# Allegro board SG2042_EVB_V1_1.brd (continued)
## Routing (per net, layer and track width the routed paths; a pad name or vN(x,y) marks a point on that pad's centre or on a via; arc(x,y) is an arc through that point) (continued)
DDR01_VDDQ_1V2_H: length 40.1
  TOP w0.102: R2175.2 217.04,97.46 216.94,97.56 216.94,97.92 218.49,99.47 220.12,99.47 220.7,100.05 220.7,100.36 221.74,101.4 222.54,101.4 222.93,101.78 222.93,102.07 U62.4
  ART03 w0.254: v1(221.16,94.23) 224.1,91.29 224.1,79.91 225.43,78.59 225.43,74.78 v1(224.71,74.07)
  BOTTOM w0.102: R2176.2 225.17,98.09 225.27,97.99 225.27,97.38 226.74,95.91 226.74,95.63 226.68,95.56 226.68,95.23 U61.4
  BOTTOM w0.254: R646.1 v1(224.71,74.07)
  vias: v1(219.33,95.15) v1(219.33,94.23) v1(220.24,95.15) v1(220.24,94.23) v1(221.16,95.15)
DDR1_VDDQCK: length 1
  BOTTOM w0.381: C1452.1 150.57,112.74 FB15.1
  vias: v1(150.47,112.65)
DDR01_VPP_2V5: length 151.8
  TOP w0.102: U50.5 220.12,47.84 220.12,47.4 220.04,47.32 220.04,47.08 219.85,46.89 219.28,46.89 218.95,47.22 218.95,47.88 218.72,48.11 218.08,48.11 217.98,48.01 R458.2
  TOP w0.254: J2.287 199.42,43.67 ; J2.287 198.76,43.01 ; J2.287 198.1,43.67 ; J2.286 201.02,44.52 ; J2.286 199.7,44.52 ; J2.286 200.36,43.86 ; 194.3,43.67 J2.143 ; J2.143 195.62,43.67 ; J2.143 194.96,43.01 ; J2.143 194.96,44.33 ; J1.142 206.62,44.52 ; J1.142 205.96,43.86 ; J1.142 205.3,44.52 ; J1.288 210.42,42.82 ; J1.288 209.76,43.48 ; J1.288 209.1,42.82 ; J1.288 209.76,42.16 ; 203.7,43.67 J1.143 ; J1.143 204.36,43.01 ; J1.143 205.02,43.67 ; R462.2 222.07,64.95 C1434.2 v1(222.71,64.92) ; 212.22,38.84 C4.1 ; C4.1 211.3,38.84 ; C4.1 211.76,39.29 ; C2.1 211.76,43.21 ; C2.1 212.22,42.75 ; C2.1 211.3,42.75 ; 201.9,44.7 C21.1 202.82,44.7 ; C23.1 202.82,40.11 ; C23.1 202.36,39.65 ; C23.1 201.9,40.11 ; 201.9,42.65 C22.1 ; C22.1 202.82,42.65 ; C22.1 202.36,43.1 ; C24.1 202.36,39.29 ; C24.1 202.82,38.84 ; C24.1 201.9,38.84 ; R5.2 R1.2 212.39,98.76 v1(212.42,98.73) ; J1.287 208.82,43.67 ; J1.287 208.16,43.01 ; J1.287 207.5,43.67 ; 211.3,40.79 C3.1 ; C3.1 211.76,41.25 ; C3.1 212.22,40.79 ; J2.288 201.02,42.82 ; J2.288 200.36,43.48 ; J2.288 200.36,42.16 ; J2.288 199.7,42.82 ; 209.76,43.86 J1.286 210.42,44.52 ; 211.3,44.7 C1.1 212.22,44.7 ; 196.56,43.86 J2.142 ; J2.142 197.22,44.52 ; J2.142 195.9,44.52 ; 215.49,47.75 215.49,48.26 213.54,50.22 R8.2
  ART03 w0.254: 199.7,46.22 J2.284 ; J2.284 201.02,46.22 ; J2.284 200.36,45.56 ; 198.1,43.67 J2.287 ; J2.287 198.76,43.01 ; J2.287 199.42,43.67 ; J2.287 198.76,44.33 ; J1.143 204.36,44.33 ; J1.143 205.02,43.67 ; J1.143 204.36,43.01 ; J1.143 203.7,43.67 ; 196.56,43.86 J2.142 ; J2.142 196.56,45.18 ; J2.142 195.9,44.52 ; J2.142 197.22,44.52 ; J1.142 205.96,45.18 ; J1.142 206.62,44.52 ; J1.142 205.3,44.52 ; J1.142 205.96,43.86 ; 200.36,43.86 J2.286 ; J2.286 201.02,44.52 ; J2.286 200.36,45.18 ; J2.286 199.7,44.52 ; J1.284 210.42,46.22 ; J1.284 209.1,46.22 ; J1.284 209.76,45.56 ; J1.288 209.76,43.48 ; J1.288 210.42,42.82 ; J1.288 209.1,42.82 ; J1.286 210.42,44.52 ; J1.286 209.1,44.52 ; J1.286 209.76,43.86 ; J1.286 209.76,45.18 ; J2.143 195.62,43.67 ; J2.143 194.96,44.33 ; J2.143 194.96,43.01 ; 207.5,43.67 J1.287 ; J1.287 208.16,43.01 ; J1.287 208.16,44.33 ; J1.287 208.82,43.67 ; J2.288 201.02,42.82 ; J2.288 200.36,43.48 ; J2.288 199.7,42.82
  ART10 w0.254: v1(212.42,98.73) 212.47,98.68 212.47,50.85 217.45,45.87 v1(217.45,45.49) ; v1(217.45,42.9) 218.97,44.42 218.97,46.48 222.58,50.09 222.58,61.49 222.05,62.03 222.05,64.26 v1(222.71,64.92)
  vias: v1(217.45,44.63) v1(217.45,43.76)
DDR01_VPP_2V5_H: length 4.4
  TOP w0.102: U50.4 219.77,47.84 219.77,47.39 219.84,47.32 219.84,47.17 219.76,47.09 219.36,47.09 219.15,47.3 219.15,47.96 218.8,48.31 218.08,48.31 217.98,48.41 R458.1
DDR01_VTT_0V6: length 15.5
  TOP w0.102: R447.2 222.02,105.51 222.12,105.41 222.12,104.61 222.42,104.32 224.94,104.32 225.73,105.11 225.73,106.25 225.81,106.32 225.81,106.7 U48.5
  TOP w0.254: 203.7,104.87 J1.77 ; J1.77 204.36,104.21 ; J1.77 205.02,104.87 ; J1.221 208.82,104.87 ; J1.221 207.5,104.87 ; J1.221 208.16,104.21 ; J2.77 195.62,104.87 ; J2.77 194.3,104.87 ; J2.77 194.96,104.21 ; 198.76,104.21 J2.221 ; J2.221 198.1,104.87 ; J2.221 199.42,104.87
DDR01_VTT_0V6_H: length 12.8
  TOP w0.102: R447.1 222.43,105.51 222.33,105.41 222.33,104.7 222.5,104.52 224.86,104.52 225.53,105.19 225.53,106.24 225.46,106.31 225.46,106.7 U48.4
  TOP w0.254: 222.78,110.41 222.53,110.67 U47.3
  TOP w0.508: 222.78,110.41 223.14,110.06 R450.2 C1424.1 C1425.1 C1426.1 R447.1
DDR2_ACT_N: length 62.7
  TOP w0.16: U1.BB2 v1(111.97,92.15)
  BOTTOM w0.089: v1(111.97,92.15) 111.6,92.52 109.67,92.52 109.14,92 108.51,92 108.4,91.89 101.51,91.89 101.39,92.01
  BOTTOM w0.16: J3.62 70.03,117.62 arc(70.33,117.68) 70.59,117.86 70.98,118.24 arc(71.23,118.41) 71.54,118.47 arc(71.96,118.5) 72.37,118.58 74.79,119.21 arc(75.21,119.29) 75.62,119.32 75.63,119.32 arc(75.93,119.26) 76.19,119.09 76.57,118.71 arc(76.83,118.53) 77.14,118.47 77.53,118.47 arc(77.83,118.53) 78.09,118.71 78.47,119.09 arc(78.73,119.26) 79.04,119.32 79.43,119.32 arc(79.73,119.26) 79.99,119.09 80.37,118.71 arc(80.63,118.53) 80.94,118.47 81.53,118.47 87.01,112.99 87.01,104.29 89.58,101.71 91.69,101.71 101.39,92.01
DDR2_ALERT_N: length 66.4
  TOP w0.16: J3.208 69.64,115.92 arc(69.34,115.98) 69.08,116.16 68.69,116.54 arc(68.43,116.71) 68.13,116.77 67.74,116.77 arc(67.43,116.71) 67.18,116.54 66.79,116.16 arc(66.53,115.98) 66.23,115.92 64.21,115.92 R2243.1 ; U1.AV6 v1(114.97,96.15)
  ART03 w0.089: 106.97,93.72 107.12,93.72 108.96,95.55 114.38,95.55 v1(114.97,96.15)
  ART03 w0.168: 106.97,93.72 99.27,93.72 91.3,101.69 90,101.69 87.26,104.43 87.26,109.61 81.8,115.07 80.96,115.07 arc(80.63,115.14) 80.36,115.32 80,115.68 arc(79.73,115.86) 79.41,115.92 79.06,115.92 arc(78.73,115.99) 78.46,116.17 78.1,116.53 arc(77.83,116.71) 77.51,116.77 77.16,116.77 arc(76.83,116.84) 76.56,117.02 76.2,117.38 arc(75.93,117.56) 75.61,117.62 74.36,117.62 arc(74.04,117.56) 73.76,117.38 72.82,116.43 arc(72.25,116.05) 71.59,115.92 J3.208
DDR2_ATB0: length 1.4
  TOP w0.16: U1.BD9 v1(117.97,90.15)
  BOTTOM w0.102: T23.1 v1(117.97,90.15)
DDR2_ATB1: length 1.4
  TOP w0.16: U1.BC9 v1(117.97,91.15)
  BOTTOM w0.102: T24.1 v1(117.97,91.15)
DDR2_BA0: length 52.3
  TOP w0.16: U1.BE2 v1(110.97,89.15)
  BOTTOM w0.089: 96.44,88.81 96.56,88.69 109.37,88.69 109.45,88.77 110.6,88.77 v1(110.97,89.15)
  BOTTOM w0.16: J3.81 68.13,96.37 arc(68.43,96.43) 68.69,96.61 69.08,96.99 arc(69.33,97.16) 69.64,97.22 70.03,97.22 arc(70.33,97.16) 70.59,96.99 70.98,96.61 arc(71.24,96.43) 71.54,96.37 72.83,96.37 arc(73.13,96.43) 73.39,96.61 73.77,96.99 arc(74.03,97.16) 74.34,97.22 75.63,97.22 arc(75.93,97.28) 76.19,97.46 76.57,97.84 arc(76.83,98.01) 77.14,98.07 77.53,98.07 arc(77.83,98.01) 78.09,97.84 78.47,97.46 arc(78.73,97.28) 79.04,97.22 79.43,97.22 arc(79.73,97.28) 79.99,97.46 80.37,97.84 arc(80.63,98.01) 80.94,98.07 81.81,98.07 82.87,97.01 83.44,97.01 83.6,97.17 83.6,97.55 83.76,97.71 84.16,97.71 84.32,97.55 84.32,97.17 84.48,97.01 86.14,97.01 87.2,95.95 89.3,95.95 96.44,88.81
DDR2_BA1: length 55
  TOP w0.16: U1.BD3 v1(111.97,90.15)
  BOTTOM w0.089: 96.99,89.16 97.11,89.05 109.29,89.05 109.77,89.52 111.35,89.52 v1(111.97,90.15)
  BOTTOM w0.16: J3.224 71.73,97.22 73.92,99.41 arc(74.18,99.58) 74.48,99.64 80.24,99.64 80.4,99.8 80.4,100.96 80.56,101.12 80.96,101.12 81.12,100.96 81.12,100.01 81.28,99.85 81.68,99.85 81.84,100.01 81.84,100.96 82,101.12 82.4,101.12 82.56,100.96 82.56,98.8 82.72,98.64 83.12,98.64 83.28,98.8 83.28,100.04 83.44,100.2 83.84,100.2 84,100.04 84,98.87 84.16,98.71 85.34,98.71 87.46,96.59 89.57,96.59 96.99,89.16
DDR2_BG0: length 62.5
  TOP w0.16: U1.BC2 v1(110.97,92.15)
  BOTTOM w0.089: v1(110.97,92.15) 110.56,92.15 110.18,91.76 108.68,91.76 108.45,91.53 100.96,91.53 100.84,91.65
  BOTTOM w0.16: J3.63 68.13,116.77 arc(68.43,116.71) 68.69,116.54 69.08,116.16 arc(69.34,115.98) 69.64,115.92 70.03,115.92 arc(70.33,115.98) 70.59,116.16 70.97,116.54 arc(71.23,116.71) 71.54,116.77 71.54,116.77 arc(71.96,116.8) 72.38,116.88 74.8,117.51 arc(75.21,117.59) 75.63,117.62 arc(75.93,117.56) 76.19,117.39 76.57,117.01 arc(76.83,116.83) 77.14,116.77 77.53,116.77 arc(77.83,116.83) 78.09,117.01 78.47,117.39 arc(78.73,117.56) 79.04,117.62 79.43,117.62 arc(79.73,117.56) 79.99,117.39 80.37,117.01 arc(80.63,116.83) 80.94,116.77 81.72,116.77 86.37,112.13 86.37,104.03 89.32,101.07 91.42,101.07 100.84,91.65
DDR2_BG1: length 60.3
  TOP w0.16: U1.AV5 v1(113.97,96.15)
  ART03 w0.089: v1(113.97,96.15) 113.57,95.74 108.88,95.74 107.35,94.22 106.97,94.22
  ART03 w0.168: 106.97,94.22 99.48,94.22 91.51,102.19 90.21,102.19 87.77,104.64 87.77,110.53 81.53,116.77 80.96,116.77 arc(80.63,116.84) 80.36,117.02 80,117.38 arc(79.73,117.56) 79.41,117.62 79.05,117.62 arc(78.73,117.69) 78.46,117.87 78.1,118.23 arc(77.83,118.41) 77.51,118.47 77.16,118.47 arc(76.83,118.54) 76.56,118.72 76.2,119.08 arc(75.93,119.26) 75.61,119.32 74.36,119.32 arc(74.04,119.26) 73.76,119.08 73.4,118.72 arc(73.13,118.54) 72.81,118.47 71.56,118.47 arc(71.24,118.41) 70.96,118.23 70.32,117.58 arc(70.07,117.21) J3.207
DDR2_CAL_0: length 2.8
  TOP w0.16: U1.BA8 v1(116.97,93.15)
  BOTTOM w0.102: T22.1 116.47,93.89 R2384.1 116.73,93.15 v1(116.97,93.15)
DDR2_CID0: length 52.4
  TOP w0.16: U1.BG5 v1(113.97,87.15)
  ART03 w0.089: 106.97,84.52 108.46,86.02 108.46,86.2 109.81,87.55 113.57,87.55 v1(113.97,87.15)
  ART03 w0.168: J3.93 68.11,86.17 arc(68.43,86.11) 68.71,85.93 69.06,85.57 arc(69.34,85.39) 69.66,85.32 70.01,85.32 arc(70.33,85.26) 70.61,85.08 70.96,84.72 arc(71.24,84.54) 71.56,84.47 71.67,84.47 arc(71.99,84.54) 72.26,84.72 72.62,85.08 arc(72.89,85.26) 73.21,85.32 75.61,85.32 arc(75.93,85.39) 76.2,85.57 76.56,85.93 arc(76.83,86.11) 77.15,86.17 77.51,86.17 arc(77.83,86.11) 78.1,85.93 78.46,85.57 arc(78.73,85.39) 79.05,85.32 79.41,85.32 arc(79.73,85.39) 80,85.57 80.36,85.93 arc(80.63,86.11) 80.95,86.17 89.19,86.17 90.84,84.52 106.97,84.52
DDR2_CID1: length 52.6
  TOP w0.16: U1.BF6 v1(114.97,88.15)
  ART03 w0.089: 106.97,85.03 107.2,85.03 108.27,86.09 108.27,86.28 109.73,87.74 114.57,87.74 v1(114.97,88.15)
  ART03 w0.168: 106.97,85.03 91.05,85.03 88.2,87.87 86.29,87.87 86.12,88.04 86.12,88.43 85.95,88.6 85.53,88.6 85.36,88.43 85.36,88.04 85.2,87.87 84.78,87.87 84.61,88.04 84.61,88.43 84.44,88.6 84.02,88.6 83.86,88.43 83.86,88.04 83.69,87.87 83.27,87.87 83.1,88.04 83.1,88.43 82.93,88.6 82.51,88.6 82.35,88.43 82.35,88.04 82.18,87.87 80.95,87.87 arc(80.63,87.81) 80.36,87.63 80,87.27 arc(79.73,87.09) 79.41,87.02 79.06,87.02 arc(78.73,87.09) 78.46,87.27 78.1,87.63 arc(77.83,87.81) 77.51,87.87 77.15,87.87 arc(76.83,87.81) 76.56,87.63 76.2,87.27 arc(75.93,87.09) 75.61,87.02 73.27,87.02 arc(72.95,86.96) 72.68,86.78 72.32,86.42 arc(72.04,86.24) 71.72,86.17 J3.237
DDR2_CKE0: length 65.2
  TOP w0.16: U1.AU7 v1(115.97,97.15)
  ART03 w0.089: 106.97,94.72 107.15,94.72 108.98,96.55 115.38,96.55 v1(115.97,97.15)
  ART03 w0.168: J3.60 70.01,119.32 arc(70.33,119.39) 70.61,119.57 70.96,119.93 arc(71.24,120.11) 71.56,120.17 72.81,120.17 arc(73.13,120.24) 73.4,120.42 73.76,120.78 arc(74.04,120.96) 74.36,121.02 75.61,121.02 arc(75.93,120.96) 76.2,120.78 76.56,120.42 arc(76.83,120.24) 77.16,120.17 77.51,120.17 arc(77.83,120.11) 78.1,119.93 78.46,119.57 arc(78.73,119.39) 79.06,119.32 79.41,119.32 arc(79.73,119.26) 80,119.08 80.36,118.72 arc(80.63,118.54) 80.96,118.47 81.52,118.47 88.27,111.72 88.27,104.85 90.42,102.7 91.72,102.7 99.69,94.72 106.97,94.72
DDR2_CKE1: length 63.5
  TOP w0.16: U1.AU6 v1(114.97,97.15)
  ART03 w0.089: v1(114.97,97.15) 114.57,96.74 108.9,96.74 107.39,95.22 106.97,95.22
  ART03 w0.168: 106.97,95.22 99.9,95.22 91.93,103.2 90.63,103.2 88.77,105.05 88.77,112.93 81.53,120.17 80.96,120.17 arc(80.63,120.24) 80.36,120.42 80,120.78 arc(79.73,120.96) 79.41,121.02 79.05,121.02 arc(78.73,121.09) 78.46,121.27 78.1,121.63 arc(77.83,121.81) 77.51,121.87 77.16,121.87 arc(76.83,121.94) 76.56,122.12 76.2,122.48 arc(75.93,122.66) 75.61,122.72 74.36,122.72 arc(74.04,122.66) 73.76,122.48 73.4,122.12 arc(73.13,121.94) 72.81,121.87 71.56,121.87 arc(71.24,121.81) 70.96,121.63 70.32,120.98 arc(70.07,120.61) J3.203
DDR2_CLK0_N: length 59.4
  TOP w0.14: U1.BB5 v1(113.97,92.15)
  ART03 w0.109: v1(113.97,92.15) 113.72,91.9 113.72,91.78 113.49,91.54 108.79,91.54 108.14,90.89 108.14,90.31 107.41,89.58 107.02,89.58 106.99,89.55 106.97,89.55
  ART03 w0.145: J3.75 67.08,106.45 arc(67.13,106.44) 67.18,106.44 68.11,106.44 arc(68.48,106.51) 68.8,106.73 69.15,107.08 arc(69.39,107.23) 69.66,107.29 70,107.29 arc(70.38,107.36) 70.7,107.58 71.05,107.93 arc(71.29,108.08) 71.56,108.14 71.83,108.14 arc(72.85,107.94) 73.72,107.35 74.07,107.01 arc(74.35,106.58) 74.46,106.07 74.46,104.9 arc(74.6,104.2) 74.99,103.6 arc(75.45,103.3) 75.98,103.19 82.57,103.19 96.2,89.55 106.97,89.55
DDR2_CLK0_P: length 59.4
  TOP w0.14: U1.BB4 v1(112.97,92.15)
  ART03 w0.109: 106.97,89.82 106.98,89.82 107.01,89.79 107.32,89.79 107.92,90.4 107.92,90.98 108.7,91.75 113.4,91.75 113.51,91.86 113.51,92.04 113.4,92.15 v1(112.97,92.15)
  ART03 w0.145: J3.74 67.29,107.16 arc(67.16,107.01) 67.18,106.81 67.19,106.8 arc(67.26,106.73) 67.35,106.7 68.11,106.7 arc(68.38,106.76) 68.62,106.92 68.97,107.26 arc(69.29,107.48) 69.66,107.55 70,107.55 arc(70.28,107.61) 70.52,107.77 70.87,108.11 arc(71.19,108.33) 71.56,108.4 71.83,108.4 arc(72.95,108.18) 73.91,107.54 74.25,107.2 arc(74.6,106.68) 74.72,106.07 74.72,104.9 arc(74.84,104.3) 75.18,103.79 75.18,103.79 arc(75.55,103.54) 75.98,103.45 82.68,103.45 96.31,89.82 106.97,89.82
DDR2_CLK1_N: length 58.4
  TOP w0.14: U1.BC4 v1(112.97,91.15)
  ART03 w0.109: v1(112.97,91.15) 112.74,90.91 112.74,90.78 112.5,90.54 109.58,90.54 107.49,88.45 107.02,88.45 106.99,88.42 106.97,88.42
  ART03 w0.145: 106.97,88.42 95.73,88.42 86.9,97.25 86.7,97.25 86.26,96.81 85.84,96.81 85.27,97.38 85.27,97.8 85.71,98.24 85.71,98.44 85.3,98.85 85.1,98.85 84.66,98.41 84.23,98.41 83.67,98.98 83.67,99.4 84.11,99.84 84.11,100.05 83.7,100.46 83.49,100.46 83.05,100.02 82.63,100.02 82.06,100.58 82.06,101.01 82.5,101.45 82.5,101.65 82.1,102.06 75.92,102.06 arc(74.97,102.24) 74.18,102.78 74.06,102.9 arc(73.51,103.71) 73.32,104.67 73.32,105.94 arc(73.29,106.11) 73.19,106.26 73.15,106.3 arc(73,106.4) 72.82,106.44 70.98,106.44 arc(70.93,106.44) 70.88,106.45 J3.219
DDR2_CLK1_P: length 58.5
  TOP w0.14: U1.BC3 v1(111.97,91.15)
  ART03 w0.109: 106.97,88.69 106.99,88.69 107.02,88.66 107.4,88.66 109.5,90.75 112.41,90.75 112.53,90.86 112.53,91.04 112.42,91.15 v1(111.97,91.15)
  ART03 w0.145: 106.97,88.69 95.84,88.69 87.01,97.51 86.59,97.51 86.15,97.08 85.95,97.08 85.54,97.49 85.54,97.69 85.97,98.13 85.97,98.55 85.41,99.12 84.99,99.12 84.55,98.68 84.34,98.68 83.93,99.09 83.93,99.29 84.37,99.73 84.37,100.16 83.81,100.72 83.38,100.72 82.94,100.28 82.74,100.28 82.33,100.69 82.33,100.9 82.77,101.34 82.77,101.76 82.21,102.32 75.92,102.32 arc(75.08,102.49) 74.36,102.97 74.24,103.09 arc(73.76,103.81) 73.59,104.67 73.59,105.94 arc(73.53,106.22) 73.37,106.45 73.33,106.49 arc(73.1,106.65) 72.82,106.7 71.15,106.7 arc(71.06,106.73) 70.99,106.8 70.98,106.81 arc(70.97,107.01) 71.09,107.16 J3.218
DDR2_CS_N0: length 50.6
  TOP w0.16: U1.BF1 v1(109.97,88.15)
  BOTTOM w0.089: v1(109.97,88.15) 109.66,88.15 109.49,87.98 95.46,87.98 95.34,88.1
  BOTTOM w0.16: J3.84 70.03,93.82 arc(70.33,93.76) 70.59,93.59 70.98,93.21 arc(71.24,93.03) 71.54,92.97 72.83,92.97 arc(73.13,93.03) 73.39,93.21 73.77,93.59 arc(74.03,93.76) 74.34,93.82 75.63,93.82 arc(75.93,93.88) 76.19,94.06 76.57,94.44 arc(76.83,94.61) 77.14,94.67 77.53,94.67 arc(77.83,94.61) 78.09,94.44 78.47,94.06 arc(78.73,93.88) 79.04,93.82 79.43,93.82 arc(79.73,93.88) 79.99,94.06 80.37,94.44 arc(80.63,94.61) 80.94,94.67 85.47,94.67 85.63,94.51 85.63,93.78 85.79,93.62 86.19,93.62 86.35,93.78 86.35,94.51 86.51,94.67 86.91,94.67 87.07,94.51 87.07,93.78 87.23,93.62 87.63,93.62 87.79,93.78 87.79,94.51 87.95,94.67 88.77,94.67 95.34,88.1
DDR2_CS_N1: length 50.1
  TOP w0.16: U1.BG2 v1(110.97,87.15)
  BOTTOM w0.089: v1(110.97,87.15) 110.6,86.77 109.63,86.77 109.49,86.91 93.81,86.91 93.7,87.03
  BOTTOM w0.16: 93.7,87.03 89.03,91.69 83.65,91.69 81.53,89.57 80.94,89.57 arc(80.63,89.51) 80.37,89.34 80.04,89.01 arc(79.78,88.83) 79.48,88.77 78.99,88.77 arc(78.68,88.83) 78.42,89.01 78.09,89.34 arc(77.83,89.51) 77.53,89.57 77.14,89.57 arc(76.83,89.51) 76.57,89.34 76.19,88.96 arc(75.93,88.78) 75.63,88.72 74.34,88.72 arc(74.03,88.78) 73.77,88.96 73.55,89.18 arc(73.29,89.35) 72.99,89.41 71.38,89.41 arc(71.08,89.35) 70.82,89.18 70.59,88.96 arc(70.33,88.78) 70.03,88.72 69.64,88.72 arc(69.33,88.78) 69.08,88.96 68.69,89.34 arc(68.43,89.51) 68.13,89.57 J3.89
DDR2_DM0_N: length 96.8
  TOP w0.14: U1.AJ2 v1(110.97,105.15)
  BOTTOM w0.109: v1(110.97,105.15) 110.79,105.32 110.79,105.52 110.56,105.75 109.72,105.75 109.46,106.01 109.46,108.35 109.52,108.41 109.52,108.43
  BOTTOM w0.14: 109.52,108.43 109.52,146.68 92.27,163.94 82.8,163.94 82.2,164.54 80.97,164.54 arc(80.7,164.59) 80.47,164.74 80.13,165.09 arc(79.79,165.31) 79.4,165.39 79.07,165.39 arc(78.67,165.31) 78.34,165.09 77.99,164.74 arc(77.77,164.59) 77.5,164.54 77.17,164.54 arc(76.9,164.59) 76.67,164.74 76.33,165.09 arc(75.99,165.31) 75.6,165.39 74.37,165.39 arc(73.97,165.31) 73.64,165.09 73.3,164.74 arc(73.07,164.59) 72.8,164.54 71.57,164.54 arc(71.17,164.46) 70.84,164.24 70.5,163.89 arc(70.27,163.74) 70,163.69 69.67,163.69 arc(69.27,163.61) 68.94,163.38 68.6,163.04 arc(68.37,162.89) 68.1,162.84 67.77,162.84 arc(67.5,162.89) 67.27,163.04 66.84,163.47 arc(66.77,163.62) 66.8,163.79 66.8,163.8 arc(66.92,163.91) 67.09,163.89 J3.8
DDR2_DM0_P: length 96.8
  TOP w0.14: U1.AJ1 v1(109.97,105.15)
  BOTTOM w0.109: 109.19,108.43 109.19,108.41 109.25,108.35 109.25,105.92 109.63,105.54 110.47,105.54 110.58,105.43 110.58,105.26 110.47,105.15 v1(109.97,105.15)
  BOTTOM w0.14: 109.19,108.43 109.19,146.54 92.14,163.61 82.66,163.61 82.06,164.21 80.97,164.21 arc(80.57,164.28) 80.24,164.51 79.89,164.85 arc(79.67,165) 79.4,165.06 79.07,165.06 arc(78.8,165) 78.57,164.85 78.23,164.51 arc(77.89,164.28) 77.5,164.21 77.17,164.21 arc(76.77,164.28) 76.44,164.51 76.09,164.85 arc(75.87,165) 75.6,165.06 74.37,165.06 arc(74.1,165) 73.87,164.85 73.53,164.51 arc(73.19,164.28) 72.8,164.21 71.57,164.21 arc(71.3,164.15) 71.07,164 70.73,163.66 arc(70.4,163.43) 70,163.36 69.67,163.36 arc(69.4,163.3) 69.17,163.15 68.83,162.81 arc(68.5,162.58) 68.1,162.51 67.77,162.51 arc(67.37,162.58) 67.04,162.81 66.61,163.24 arc(66.51,163.37) 66.44,163.53 J3.7
DDR2_DM1_N: length 86.1
  TOP w0.14: U1.AP1 v1(109.97,100.15)
  BOTTOM w0.109: v1(109.97,100.15) 110.44,100.15 110.55,100.26 110.55,100.41 110.42,100.54 109.52,100.54 108.53,101.53 108.14,101.53 108.08,101.47 108.05,101.47
  BOTTOM w0.14: J3.19 66.89,154.05 arc(67.11,154.02) 67.34,154.01 68.1,154.01 arc(68.5,154.08) 68.83,154.31 69.17,154.65 arc(69.4,154.8) 69.67,154.86 70,154.86 arc(70.27,154.8) 70.5,154.65 70.84,154.31 arc(71.17,154.08) 71.57,154.01 72.8,154.01 arc(73.19,154.08) 73.53,154.31 73.87,154.65 arc(74.1,154.8) 74.37,154.86 75.6,154.86 arc(75.87,154.8) 76.09,154.65 76.44,154.31 arc(76.77,154.08) 77.17,154.01 77.5,154.01 arc(77.89,154.08) 78.23,154.31 78.57,154.65 arc(78.8,154.8) 79.07,154.86 79.4,154.86 arc(79.67,154.8) 79.89,154.65 80.24,154.31 arc(80.57,154.08) 80.97,154.01 81.97,154.01 103.59,132.39 103.59,104.43 106.55,101.47 108.05,101.47
DDR2_DM1_P: length 86.1
  TOP w0.14: U1.AP2 v1(110.97,100.15)
  BOTTOM w0.109: 108.05,101.8 108.08,101.8 108.14,101.74 108.61,101.74 109.6,100.75 110.5,100.75 110.76,100.5 110.76,100.36 v1(110.97,100.15)
  BOTTOM w0.14: 108.05,101.8 106.68,101.8 103.92,104.57 103.92,132.52 82.1,154.34 80.97,154.34 arc(80.7,154.39) 80.47,154.54 80.13,154.89 arc(79.79,155.11) 79.4,155.19 79.07,155.19 arc(78.67,155.11) 78.34,154.89 77.99,154.54 arc(77.77,154.39) 77.5,154.34 77.17,154.34 arc(76.9,154.39) 76.67,154.54 76.33,154.89 arc(75.99,155.11) 75.6,155.19 74.37,155.19 arc(73.97,155.11) 73.64,154.89 73.3,154.54 arc(73.07,154.39) 72.8,154.34 71.57,154.34 arc(71.3,154.39) 71.07,154.54 70.73,154.89 arc(70.4,155.11) 70,155.19 69.67,155.19 arc(69.27,155.11) 68.94,154.89 68.6,154.54 arc(68.37,154.39) 68.1,154.34 67.35,154.34 arc(67.24,154.37) 67.15,154.45 67.15,154.46 arc(67.14,154.61) 67.24,154.73 J3.18
DDR2_DM2_N: length 81.6
  TOP w0.14: U1.AK8 v1(116.97,104.15)
  ART03 w0.109: 108.98,107.62 109.05,107.55 109.05,107.51 109.81,106.75 114.71,106.75 115.71,105.75 116.21,105.75 116.57,105.39 116.57,104.55 v1(116.97,104.15)
  ART03 w0.145: J3.30 67.2,145.13 arc(66.97,145.16) 66.79,145.01 66.79,145.01 arc(66.77,144.86) 66.83,144.73 67.25,144.32 arc(67.49,144.16) 67.76,144.1 68.11,144.1 arc(68.38,144.16) 68.62,144.32 68.97,144.66 arc(69.29,144.88) 69.66,144.95 70.01,144.95 arc(70.28,145.01) 70.52,145.17 70.87,145.51 arc(71.19,145.73) 71.56,145.8 72.8,145.8 arc(73.08,145.86) 73.32,146.02 73.66,146.36 arc(73.99,146.58) 74.36,146.65 75.6,146.65 arc(75.98,146.58) 76.3,146.36 76.65,146.02 arc(76.89,145.86) 77.16,145.8 77.5,145.8 arc(77.78,145.86) 78.02,146.02 78.36,146.36 arc(78.68,146.58) 79.06,146.65 79.4,146.65 arc(79.78,146.58) 80.1,146.36 80.45,146.02 arc(80.69,145.86) 80.96,145.8 87.31,145.8 105.67,127.44 105.67,110.93 108.98,107.62
DDR2_DM2_P: length 81.6
  TOP w0.14: U1.AK7 v1(115.97,104.15)
  ART03 w0.109: 108.79,107.44 108.81,107.42 108.85,107.42 109.72,106.54 114.62,106.54 114.96,106.21 114.96,106.05 115.12,105.88 115.29,105.88 115.62,105.54 116.12,105.54 116.36,105.31 116.36,104.9 116.3,104.85 116.24,104.79 116.24,104.55 116.3,104.49 116.36,104.43 116.36,104.26 116.25,104.15 v1(115.97,104.15)
  ART03 w0.145: J3.29 66.47,144.83 arc(66.54,144.68) 66.65,144.55 67.07,144.13 arc(67.39,143.91) 67.76,143.84 68.11,143.84 arc(68.48,143.91) 68.8,144.13 69.15,144.48 arc(69.39,144.63) 69.66,144.69 70.01,144.69 arc(70.38,144.76) 70.7,144.98 71.05,145.33 arc(71.29,145.48) 71.56,145.54 72.8,145.54 arc(73.18,145.61) 73.5,145.83 73.85,146.18 arc(74.09,146.33) 74.36,146.39 75.6,146.39 arc(75.88,146.33) 76.12,146.18 76.46,145.83 arc(76.78,145.61) 77.16,145.54 77.5,145.54 arc(77.88,145.61) 78.2,145.83 78.55,146.18 arc(78.79,146.33) 79.06,146.39 79.4,146.39 arc(79.68,146.33) 79.92,146.18 80.26,145.83 arc(80.58,145.61) 80.96,145.54 87.2,145.54 105.41,127.33 105.41,110.82 108.79,107.44
DDR2_DM3_N: length 74.6
  TOP w0.14: U1.AP5 v1(113.97,100.15)
  ART03 w0.109: 107.97,99.81 107.99,99.81 108.02,99.83 108.32,99.83 109.03,100.54 114.44,100.54 114.55,100.43 114.55,100.26 114.44,100.15 v1(113.97,100.15)
  ART03 w0.145: 107.97,99.81 105.88,99.81 97.97,107.71 97.97,121.41 84.04,135.34 80.96,135.34 arc(80.58,135.41) 80.26,135.63 79.92,135.98 arc(79.68,136.13) 79.4,136.19 79.06,136.19 arc(78.79,136.13) 78.55,135.98 78.2,135.63 arc(77.88,135.41) 77.5,135.34 77.16,135.34 arc(76.78,135.41) 76.46,135.63 76.12,135.98 arc(75.88,136.13) 75.6,136.19 74.23,136.19 arc(73.95,136.13) 73.71,135.98 73.37,135.63 arc(73.05,135.41) 72.67,135.34 71.57,135.34 arc(71.19,135.41) 70.87,135.63 70.52,135.98 arc(70.28,136.13) 70.01,136.19 69.66,136.19 arc(69.39,136.13) 69.15,135.98 68.8,135.63 arc(68.48,135.41) 68.1,135.34 67.18,135.34 arc(67.13,135.34) 67.08,135.35 J3.41
DDR2_DM3_P: length 74.6
  TOP w0.14: U1.AP6 v1(114.97,100.15)
  ART03 w0.109: 107.97,100.07 107.99,100.07 108.02,100.04 108.23,100.04 108.94,100.75 114.52,100.75 114.76,100.52 114.76,100.36 v1(114.97,100.15)
  ART03 w0.145: J3.40 67.3,136.06 arc(67.17,135.91) 67.18,135.71 arc(67.25,135.63) 67.35,135.6 68.1,135.6 arc(68.38,135.66) 68.62,135.82 68.97,136.16 arc(69.29,136.38) 69.66,136.45 70.01,136.45 arc(70.38,136.38) 70.7,136.16 71.05,135.82 arc(71.29,135.66) 71.57,135.6 72.67,135.6 arc(72.94,135.66) 73.18,135.82 73.53,136.16 arc(73.85,136.38) 74.23,136.45 75.6,136.45 arc(75.98,136.38) 76.3,136.16 76.65,135.82 arc(76.89,135.66) 77.16,135.6 77.5,135.6 arc(77.78,135.66) 78.01,135.82 78.36,136.16 arc(78.68,136.38) 79.06,136.45 79.4,136.45 arc(79.78,136.38) 80.1,136.16 80.45,135.82 arc(80.69,135.66) 80.96,135.6 84.15,135.6 98.24,121.51 98.24,107.82 105.99,100.07 107.97,100.07
DDR2_DM4_N: length 51.4
  TOP w0.14: U1.BJ3 v1(111.97,85.15)
  BOTTOM w0.109: 107.9,84.19 107.93,84.19 107.99,84.13 108.26,84.13 108.55,84.43 109.37,84.43 109.69,84.75 112.41,84.75 112.53,84.87 112.53,85.04 112.42,85.15 v1(111.97,85.15)
  BOTTOM w0.14: J3.100 67.07,80.6 arc(66.93,80.62) 66.82,80.53 66.8,80.49 arc(66.77,80.32) 66.85,80.16 67.27,79.74 arc(67.5,79.59) 67.77,79.54 68.1,79.54 arc(68.37,79.59) 68.6,79.74 68.94,80.09 arc(69.27,80.31) 69.67,80.39 70,80.39 arc(70.27,80.44) 70.5,80.59 70.84,80.94 arc(71.17,81.16) 71.57,81.24 72.8,81.24 arc(73.07,81.29) 73.3,81.44 73.64,81.79 arc(73.97,82.01) 74.37,82.09 75.6,82.09 arc(75.87,82.14) 76.09,82.29 76.44,82.64 arc(76.77,82.86) 77.17,82.94 77.5,82.94 arc(77.89,82.86) 78.23,82.64 78.57,82.29 arc(78.8,82.14) 79.07,82.09 79.4,82.09 arc(79.67,82.14) 79.89,82.29 80.24,82.64 arc(80.57,82.86) 80.97,82.94 90.78,82.94 92.04,84.19 107.9,84.19
DDR2_DM4_P: length 51.3
  TOP w0.14: U1.BJ4 v1(112.97,85.15)
  BOTTOM w0.109: v1(112.97,85.15) 112.74,84.91 112.74,84.78 112.5,84.54 109.78,84.54 109.46,84.22 108.64,84.22 108.34,83.92 107.99,83.92 107.93,83.86 107.9,83.86
  BOTTOM w0.14: 107.9,83.86 92.18,83.86 90.92,82.61 80.97,82.61 arc(80.7,82.55) 80.47,82.4 80.13,82.06 arc(79.79,81.83) 79.4,81.76 79.07,81.76 arc(78.67,81.83) 78.34,82.06 77.99,82.4 arc(77.77,82.55) 77.5,82.61 77.17,82.61 arc(76.9,82.55) 76.67,82.4 76.33,82.06 arc(75.99,81.83) 75.6,81.76 74.37,81.76 arc(74.1,81.7) 73.87,81.55 73.53,81.21 arc(73.19,80.98) 72.8,80.91 71.57,80.91 arc(71.3,80.85) 71.07,80.7 70.73,80.36 arc(70.4,80.13) 70,80.06 69.67,80.06 arc(69.4,80) 69.17,79.85 68.83,79.51 arc(68.5,79.28) 68.1,79.21 67.77,79.21 arc(67.37,79.28) 67.04,79.51 66.61,79.94 arc(66.5,80.07) 66.44,80.23 J3.99